# Altium PCB STeaMi-VerB1.PcbDoc (part 4 of 5) (continued)
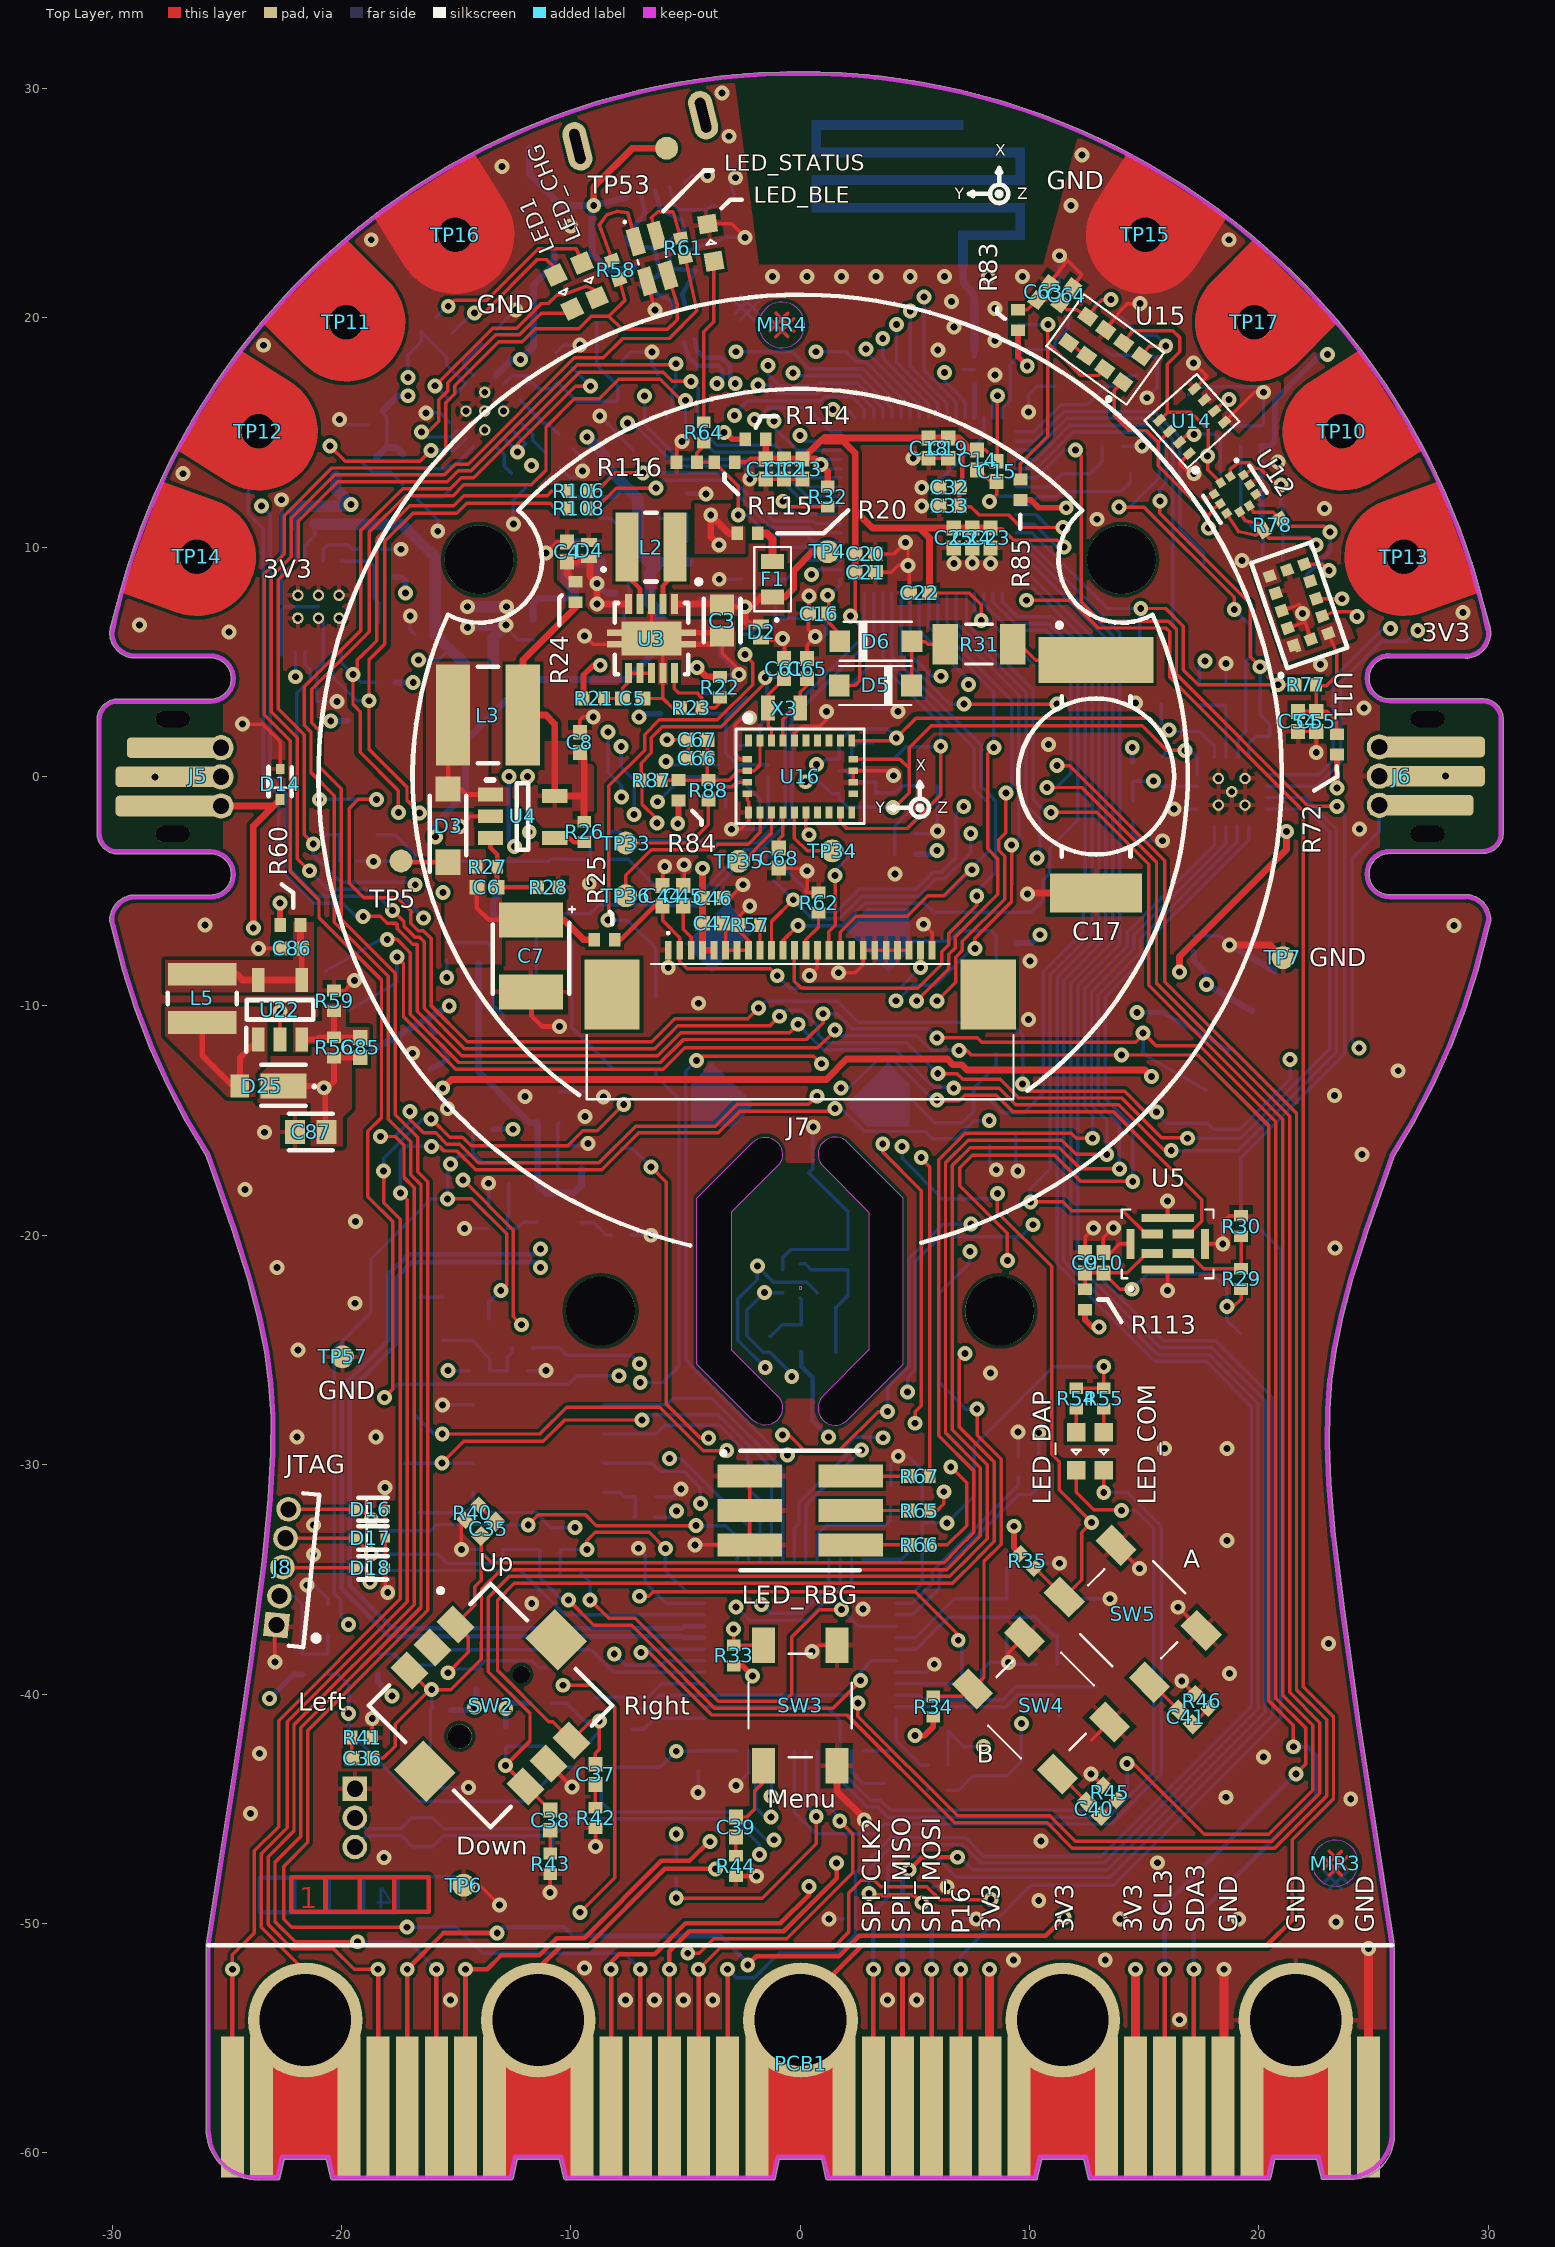
[diagram p0: Top Layer view]
## Nets (pads, with @x,y where several pads share a name; then routed paths per layer and width w, separated by ;. In a path a pad name is that pad's centre, name@x,y a point inside that pad or via, vN(x,y) a via of type N, cw(c..) or ccw(c..) an arc to the next point about the centre after c; other vN are vias at no path point) (continued)
NetR91_2: R91.2 U17.2 | length 8.1
  Bottom Layer w0.15: U17.2@4.18,-36.05 4.89,-36.05 5.756,-35.184 5.756,-34.644 9.5,-30.9 R91.2@9.5,-30.545
NetR92_2: R92.2 U17.3 | length 9.3
  Bottom Layer w0.15: U17.3@4.18,-36.55 4.906,-36.55 6.056,-35.4 6.056,-34.768 9.522,-31.302 10.06,-31.302 10.4,-30.962 R92.2@10.4,-30.545
NetR94_2: R94.2 TP44.1 U6.28 | length 76.6
  Mid-Layer 1 w0.15: v1(4.8,20.3) 4.8,17.056 7.377,14.479 7.377,11.665 7.904,11.138 8.944,11.138 10.413,9.669 10.413,5.588 9.908,5.083 9.908,0.392 9.907,-1.778 10.881,-2.752 10.881,-4.097 11.649,-4.865 11.649,-32.512 10.017,-34.144 10.017,-39.361 8.001,-41.377 v1(8.001,-42.291)
  Bottom Layer w0.15: v1(4.8,20.3) 4.8,17.878 6.4,16.278 U6.28@6.4,15.64 ; R94.2@6.445,-43.1 TP44.1@6.445,-41.611 7.125,-42.291 v1(8.001,-42.291)
NetR95_2: R95.2 TP43.1 U6.29 | length 78.1
  Mid-Layer 1 w0.15: v1(5.4,20.9) 5.4,17.738 5.638,17.5 5.638,16.643 7.706,14.575 7.706,12.219 7.708,12.217 7.706,12.216 7.706,11.76 8.028,11.438 8.484,11.438 8.485,11.44 8.487,11.438 9.068,11.438 10.713,9.793 10.713,5.464 10.208,4.959 10.208,0.268 10.207,-1.654 11.181,-2.628 11.181,-3.972 11.949,-4.741 11.949,-32.636 10.358,-34.227 10.358,-39.444 9.647,-40.155 v1(9.647,-41.285)
  Bottom Layer w0.15: v1(5.4,20.9) 5.4,17.703 6.8,16.303 U6.29@6.8,15.64 ; R95.2@6.445,-44.2 6.913,-44.2 7.552,-43.56 TP43.1@8.662,-43.56 9.02,-43.56 9.647,-42.932 v1(9.647,-41.285)
NetR96_1: R96.1 R97.2 R98.2 T3.B | length 4.8
  Bottom Layer w0.15: T3.B@-15.6,-24.58 -14.321,-24.58 -13.526,-25.375 R96.1@-13.526,-25.9 R98.2@-12.765,-25.9 -12.765,-25.314 -12.559,-25.107 R97.2@-12.559,-24.9
NetR100_2: R100.2 T3.E | length 1
  Bottom Layer w0.15: R100.2@-16.555,-22.7 T3.E@-15.6,-22.7
NetR105_2: R105.2 U17.44 | length 5.1
  Bottom Layer w0.15: U17.44@0.75,-34.12 0.75,-33.034 1.145,-32.639 3.726,-32.639 3.937,-32.428 R105.2@3.937,-31.814
NetR106_1: R106.1 U6.7 | length 12.2
  Top Layer w0.15: R106.1@-9.207,12.446 -8.856,12.446 -8.067,13.235 v1(-6.844,13.235)
  Bottom Layer w0.15: v1(-6.844,13.235) -3.253,13.235 -1.153,11.135 0.569,11.135 0.684,11.02 U6.7@1.78,11.02
NetR108_1: R108.1 U6.6 | length 12.4
  Top Layer w0.15: R108.1@-9.207,11.684 -8.904,11.684 -8.015,12.573 v1(-6.285,12.573)
  Bottom Layer w0.15: v1(-6.285,12.573) -5.948,12.91 -3.352,12.91 -1.277,10.835 0.405,10.835 0.62,10.62 U6.6@1.78,10.62
NetTP8_1: TP8.1 U6.36 | length 14.1
  Bottom Layer w0.15: U6.36@9.42,14.62 10.214,14.62 11.506,15.912 15.438,15.912 16.551,14.8 16.551,10.815 17.606,9.76 TP8.1@17.606,9.287
NetTP9_1: TP9.1 U6.37 | length 15.9
  Bottom Layer w0.15: U6.37@9.42,14.22 10.238,14.22 11.63,15.612 15.314,15.612 16.251,14.676 16.251,6.609 TP9.1@16.256,6.604
NetTP10_1: TP10.1 U8.10 | length 21.7
  Mid-Layer 1 w0.15: TP10.1@23.615,15.044 23.615,13.445 24.897,12.163 24.897,8.888 25.453,8.333 25.453,7.57 26.655,6.368 v1(26.924,6.368)
  Bottom Layer w0.15: U8.10@20.314,-0.416 22.525,-0.416 23.571,0.629 23.571,4.106 25.365,5.9 25.495,5.9 25.5,5.894 26.45,5.894 v1(26.924,6.368)
NetTP11_1: TP11.1 U8.12 | length 93.7
  Top Layer w0.15: v1(-17.78,-5.842) -17.755,-5.842 -17.271,-6.326 -17.271,-6.52 -16.773,-7.018 -16.579,-7.018 -16.392,-7.205 -16.392,-10.11 -14.633,-11.869 -6.34,-11.869 -5.336,-10.865 -1.314,-10.865 v1(-0.9,-10.451) ; v1(6,-12.954) 6.838,-12.954 7.089,-13.205 8.715,-13.205 9.526,-14.016 14.019,-14.016 15.753,-15.75 16.861,-15.75 v1(16.883,-15.772)
  Mid-Layer 1 w0.15: v1(-23.48,11.8) -23.48,12.136 -22.037,13.579 -22.037,17.561 TP11.1@-19.799,19.799
  Bottom Layer w0.15: v1(-23.48,11.8) -23.1,11.42 -23.1,-0.045 -22.394,-0.751 -22.394,-3.889 -21.065,-5.217 -18.405,-5.217 v1(-17.78,-5.842) ; v1(-0.9,-10.451) -0.649,-10.2 0.078,-10.2 0.78,-10.903 0.78,-11.256 1.13,-11.606 4.652,-11.606 v1(6,-12.954) ; v1(16.883,-15.772) 19.204,-15.772 23.078,-11.898 23.078,-2.421 22.073,-1.416 U8.12@20.314,-1.416
NetTP12_1: TP12.1 U8.11 | length 89.1
  Top Layer w0.15: v1(-19.05,-6.096) -18.304,-6.096 -18.008,-6.392 -17.629,-6.392 -17.571,-6.45 -17.571,-6.644 -16.897,-7.318 -16.704,-7.318 -16.692,-7.329 -16.692,-10.234 -14.758,-12.169 -6.216,-12.169 -5.212,-11.165 -0.465,-11.165 v1(-0.1,-10.8) ; v1(6.695,-13.589) 8.675,-13.589 9.402,-14.316 13.894,-14.316 15.878,-16.3 v1(16.179,-16.3)
  Bottom Layer w0.15: TP12.1@-23.615,15.044 -24.062,14.597 -24.062,11.453 -23.4,10.791 -23.4,-0.169 -22.733,-0.836 -22.733,-3.974 -21.19,-5.517 -19.951,-5.517 -19.372,-6.096 v1(-19.05,-6.096) ; v1(-0.1,-10.8) 1.006,-11.906 4.159,-11.906 5.8,-13.547 6.653,-13.547 v1(6.695,-13.589) ; v1(16.179,-16.3) 16.2,-16.322 19.078,-16.322 19.328,-16.072 23.378,-12.022 23.378,-2.296 21.998,-0.916 U8.11@20.314,-0.916
NetTP17_1: TP17.1 U8.9 | length 25.9
  Mid-Layer 1 w0.15: TP17.1@19.799,19.799 19.799,18.901 21.416,17.284 21.416,15.22 24.597,12.038 24.597,8.764 25.153,8.208 25.153,7.019 v1(25.728,6.444)
  Bottom Layer w0.15: U8.9@20.314,0.084 22.601,0.084 23.241,0.723 23.241,4.287 25.398,6.444 v1(25.728,6.444)
NetTP18_1: TP18.1 U6.39 U8.7 | length 25
  Top Layer w0.15: v1(13.892,11.742) 14.99,11.742 18.924,7.809 v1(18.924,7.275)
  Bottom Layer w0.15: U6.39@9.42,13.42 10.286,13.42 11.878,15.012 15.066,15.012 15.651,14.427 15.651,13.033 14.361,11.742 v1(13.892,11.742) ; v1(18.924,7.275) 19.635,6.564 TP18.1@19.635,5.969 19.635,5.225 19.431,5.021 19.431,1.975 19.089,1.632 19.089,0.859 U8.7@19.064,0.834
NetTP19_1: TP19.1 U6.38 U8.8 | length 24
  Top Layer w0.15: v1(15.679,12.004) 15.679,11.477 19.623,7.534 19.623,5.213 v1(20.053,4.784)
  Bottom Layer w0.15: U6.38@9.42,13.82 10.262,13.82 11.754,15.312 15.19,15.312 15.951,14.551 15.951,12.799 15.679,12.528 v1(15.679,12.004) ; v1@15.621,11.989 v1@15.636,12.004 ; U8.8@19.564,0.834 19.564,1.437 19.876,1.75 TP19.1@20.471,1.75 20.471,2.265 20.053,2.684 v1(20.053,4.784)
NetTP34_1: TP34.1 U16.10 | length 3
  Top Layer w0.15: U16.10@-0.25,-1.562 -0.25,-2.687 0.305,-3.241 TP34.1@1.397,-3.241
NetTP35_1: TP35.1 U16.8 | length 2.8
  Top Layer w0.15: TP35.1@-2.678,-3.694 -2.464,-3.694 -1.47,-2.701 -1.47,-2.699 -1.339,-2.567 -1.337,-2.567 -1.25,-2.48 U16.8@-1.25,-1.563
NetTP36_1: TP36.1 U16.7 | length 8.4
  Top Layer w0.15: TP36.1@-7.6,-5.2 -7.6,-4.298 -6.501,-3.199 -3.834,-3.199 -3.59,-2.955 -2.265,-2.955 -1.75,-2.44 U16.7@-1.75,-1.562
NetTP47_1: TP47.1 U17.14 | length 2.6
  Bottom Layer w0.15: U17.14@2.25,-42.48 2.25,-43.4 2.75,-43.9 TP47.1@3.682,-43.9
NetTP48_1: TP48.1 U17.11 | length 8.1
  Bottom Layer w0.15: U17.11@4.18,-40.55 8.972,-40.55 9.479,-40.044 11.019,-40.044 11.3,-40.324 TP48.1@11.3,-40.98
NetTP76_1: TP76.1 U17.28 | length 5
  Bottom Layer w0.15: TP76.1@-8.89,-40.132 -6.637,-40.132 -6.055,-39.55 U17.28@-4.18,-39.55
NetU5_2: U5.2 U6.51 | length 35.5
  Top Layer w0.15: v1(10.033,-18.542) 11.456,-18.542 11.837,-18.923 14.07,-18.923 U5.2@15.097,-19.95
  Bottom Layer w0.15: U6.51@9.42,8.62 9.745,8.62 12.728,5.637 12.728,-6.809 10.9,-8.637 10.9,-17.1 10.033,-17.967 v1(10.033,-18.542)
NetU5_3: U5.3 U6.18 | length 53.5
  Top Layer w0.15: v1(5.969,-14.097) 6.011,-14.139 6.923,-14.139 7.173,-13.889 8.55,-13.889 9.277,-14.616 13.661,-14.616 17.505,-18.461 17.505,-19.392 U5.3@16.947,-19.95
  Mid-Layer 1 w0.15: v1(1.424,16) 1.763,16 2.805,14.958 2.805,8.517 3.751,7.571 3.751,4.129 2.815,3.193 2.815,-11.434 1.778,-12.471 v1(1.778,-13.575)
  Bottom Layer w0.15: v1(1.424,16) 2.04,16 U6.18@2.4,15.64 ; v1(1.778,-13.575) 2.142,-13.575 3.483,-12.234 3.941,-12.234 5.804,-14.097 v1(5.969,-14.097)
NetU6_31: U6.31 U7.3 | length 1.5
  Bottom Layer w0.2: U6.31@7.6,15.64 U7.3@7.6,17.14
NetU15_3: U15.3 U15.4 | length 1
  Top Layer w0.15: U15.4@11.712,18.908 U15.3@12.495,18.336
NRST: C30.2 C31.2 D7.A R32.1 TP61.1 U6.8 | length 37.6
  Top Layer w0.15: v1(-8.372,-6.261) -8.342,-6.232 -8.342,-0.408 -6.784,1.15 -6.784,1.818 -6.137,2.465 -3.607,2.465 -2.074,3.998 -2.074,4.953 -2.4,5.279 v1(-2.4,5.319) ; v1(-0.75,12) -0.505,11.755 R32.1@1.2,11.755
  Mid-Layer 1 w0.15: v1(-2.4,5.319) -2.4,5.715 -1.2,6.915 -1.2,11.55 v1(-0.75,12)
  Bottom Layer w0.15: v1(-8.372,-6.261) -7.532,-6.261 -6.3,-7.493 D7.A@-6.3,-9.625 ; v1(-2.4,5.319) -2.4,5.438 -2.6,5.638 C31.2@-2.6,6.2 -2.164,6.2 -1.862,6.502 -1.218,6.502 -1.085,6.634 ; TP61.1@-1.085,7.378 -1.085,6.634 ; v1(-0.75,12) -0.185,11.435 0.693,11.435 0.708,11.42 U6.8@1.78,11.42 ; C30.2@0.26,6.9 -0.82,6.9 -1.085,6.634
PACK+: C2.1 J1.2 R18.1 U2.6 U2.8 | length 21.1
  Mid-Layer 1 w0.15: v1(-22,4.35) -21.264,5.085 v1(-16.637,5.085)
  Bottom Layer w0.15: v1(-22,4.35) U2.6@-22,5.425 ; U2.8@-21.6,9.375 -21.6,10.058 -21.155,10.503 R18.1@-21.155,11 ; v1(-16.637,5.085) -15.755,5.085 -15.283,5.558
  Bottom Layer w0.5: R18.1@-21.155,11 -17.36,11 -16.925,10.565 -16.925,10.555 -16.5,10.13 -16.49,10.13 -15.912,9.552 -15.912,6.187 -15.283,5.558 J1.2@-14.625,4.9
PACK_OUT: R2.2 R18.2 TP1.1 U1.2 U1.3 U2.7 | length 23.2
  Top Layer w0.15: v1(-12.32,14.146) -12.32,14.5 -9.806,17.015 v1(-9.135,17.015)
  Mid-Layer 1 w0.5: v1(-19.588,11.862) -19.472,11.862 -18.874,12.46 -13.926,12.46 v1@-12.28,14.106 ; v1(-12.32,14.146) v1@-12.28,14.106 ; v1(-11.715,13.55) -11.724,13.55 v1@-12.28,14.106
  Bottom Layer w0.15: R18.2@-22.045,11 -22,10.955 U2.7@-22,9.375 ; U1.3@-12.912,14.739 v1(-12.32,14.146) -11.967,14.5 U1.2@-12.559,15.092 ; R2.2@-9.935,17.815 v1(-9.135,17.015)
  Bottom Layer w0.5: R18.2@-22.045,11 -22.045,11.464 -21.734,11.775 -19.675,11.775 v1(-19.588,11.862) -20.243,12.518 TP1.1@-20.243,13.081
POWER: C84.2 R1.2 R3.2 R4.2 R53.1 R63.2 R89.1 R90.2 R107.1 T4.4 TP49.1 U1.10 U1.11 U21.5 | length 56.9
  Mid-Layer 1 w0.3: v1(-15.893,-2.629) -15.893,-4.681 -15.563,-5.011 v1(-15.563,-5.055)
  Mid-Layer 1 w0.5: v1(-17.1,16.6) v1(-17.1,17.4) -17.1,18.342 -15.995,19.447 -11.322,19.447 -9.86,17.985 -9.86,15.368 v1(-9.3,14.807)
  Bottom Layer w0.15: R4.2@-18.547,13.997 R4.2@-18.465,13.915 ; C84.2@-18.254,15.894 -18.032,15.671 -18.032,14.347 ; -17.562,16.586 -17.562,16.6 ; v1(-17.1,17.4) -17.1,18.37 -16.515,18.955 R53.1@-16.515,19.385 R1.2@-15.815,18.685 -15.399,18.27 -15.399,17.932 U1.11@-14.588,17.121 U1.10@-14.941,16.768
  Bottom Layer w0.2: TP49.1@-10.509,11.509 -9.853,12.165 -8.115,12.165 -7.62,12.66
  Bottom Layer w0.3: R4.2@-18.465,13.915 -18.032,14.347 -17.597,14.347 R3.2@-17.315,14.065 ; C84.2@-18.194,15.954 -17.562,16.586 ; -17.562,16.6 v1(-17.1,16.6) ; v1(-15.893,-2.629) -15.893,-2.074 -14.593,-0.774 -14.593,1.547 -11.91,4.229 -8.98,4.229 -8.975,4.225 -7.548,4.225 -6.15,5.623 R89.1@-6.15,6.6
  Bottom Layer w0.5: v1(-9.3,14.807) -8.551,14.059 -8.551,13.591 -7.62,12.66 -7.081,12.121 -7.081,9.834 -6.597,9.35 U21.5@-6.1,9.35 ; R89.1@-6.15,6.6 -6.15,7.165 -6.544,7.559 R107.1@-6.544,8 -6.544,8.906 U21.5@-6.1,9.35 ; R90.2@-4.9,9.35 U21.5@-6.1,9.35
POWER_ST_LINK: C77.2 C78.2 T4.3 U19.1 U19.3 | length 13.8
  Bottom Layer w0.3: T4.3@-14.025,-8.15 -14.025,-12.861 -11.79,-15.096 C77.2@-11.44,-15.096 C78.2@-11.44,-16.1 U19.1@-11.44,-17.1 -11.44,-17.816 -11.095,-18.161 -9.883,-18.161 -9.54,-17.818 U19.3@-9.54,-17.1
PWR_ENn: R90.1 R103.2 U21.4 | length 2.6
  Bottom Layer w0.15: U21.4@-6.1,11.25 -5.577,11.25 -4.953,10.626 ; R90.1@-4.953,10.224 -4.953,10.626 ; R103.2@-4.953,11.43 -4.953,10.626
PWR_EXT: R101.1 TP75.1 U17.29 | length 15.1
  Bottom Layer w0.15: TP75.1@-16.764,-38.735 -15.97,-38.735 -15.303,-38.068 -9.119,-38.068 -8.137,-39.05 U17.29@-4.18,-39.05
  Bottom Layer w0.152: R101.1@-18.4,-38.255 -17.708,-38.255 -17.228,-38.735 TP75.1@-16.764,-38.735
RST_OLED: J7.11 TP21.1 U6.53 | length 29.3
  Top Layer w0.15: J7.11@-0.75,-7.575 -0.75,-7.15 v1(-0.1,-6.5)
  Bottom Layer w0.15: v1(-0.1,-6.5) -0.09,-6.51 1.833,-6.51 2.818,-5.525 5.425,-5.525 5.814,-5.915 10.074,-5.915 10.593,-5.396 10.593,-4.499 10.881,-4.211 10.881,-3.132 TP21.1@11.427,-2.586 12.1,-1.913 12.1,5.416 10.849,6.668 9.35,6.668 8.4,7.618 U6.53@8.4,8
SPI1_MISO: TP41.1 U17.40 U20.2 | length 23.2
  Top Layer w0.15: v1(-15.617,-29.935) -14.665,-28.983 -11.199,-28.983 -10.271,-28.055 v1(-6.9,-28.055)
  Bottom Layer w0.15: TP41.1@-17.243,-29.935 v1(-15.617,-29.935) U20.2@-14.245,-29.935 ; v1(-6.9,-28.055) -6.898,-28.057 -6.667,-27.825 -3.56,-27.825 -1.25,-30.135 U17.40@-1.25,-34.12
SPI1_MOSI: TP40.1 U17.41 U20.5 | length 13.1
  Bottom Layer w0.15: U20.5@-8.555,-27.395 -5.825,-27.395 TP40.1@-5.53,-27.1 -3.861,-27.1 -0.75,-30.211 U17.41@-0.75,-34.12
SPI1_MOSI_OLED: J7.16 TP23.1 U6.65 | length 23.7
  Top Layer w0.15: J7.16@1.75,-7.575 1.75,-6.785 2.439,-6.096 4.662,-6.096 5.567,-5.191 6.264,-5.191 7.391,-4.064 v1(7.493,-4.064)
  Bottom Layer w0.15: U6.65@3.6,8 3.6,5.222 7.591,1.231 7.591,-0.549 8.216,-1.174 8.216,-3.239 7.493,-3.962 v1(7.493,-4.064) 6.367,-5.19 TP23.1@6.223,-5.19
SPI1_SCK: TP42.1 U17.39 U20.6 | length 11.8
  Bottom Layer w0.15: U20.6@-8.555,-28.665 -6.281,-28.665 -5.904,-28.288 -3.522,-28.288 -2.3,-29.51 TP42.1@-2.3,-31 -1.75,-31.55 U17.39@-1.75,-34.12
SPI1_SCK_OLED: J7.15 TP22.1 U6.16 | length 28
  Top Layer w0.15: J7.15@1.25,-7.575 1.25,-6.766 1.524,-6.492 v1(1.524,-4.318)
  Mid-Layer 1 w0.15: v1(0,14.864) 0.894,14.864 1.905,13.854 1.905,8.144 2.851,7.198 2.851,4.502 1.915,3.566 1.915,-3.927 v1(1.524,-4.318)
  Bottom Layer w0.15: v1(0,14.864) 0,14.846 0.226,14.62 U6.16@1.78,14.62 ; v1(1.524,-4.318) 1.524,-4.079 TP22.1@2.305,-3.298
SPI2_MISO_EDGE: D8.K PCB1.P14 U6.48 | length 93.5
  Top Layer w0.2: PCB1.P14@4.46,-58 v1(4.46,-52) ; v1(4.751,-47.676) 5.31,-47.117 v1(6.858,-47.117)
  Bottom Layer w0.15: v1@4.744,-47.7 v1(4.751,-47.676) ; v1(6.858,-47.117) 6.976,-47.117 7.526,-47.667 13.383,-47.667 20.275,-40.775 20.275,-27.227 17.948,-24.9 15.703,-24.9 11.8,-20.997 11.8,-9.01 13.628,-7.182 13.628,6.148 9.956,9.82 U6.48@9.42,9.82
  Bottom Layer w0.2: PCB1.P14@4.46,-58 v1(4.46,-52) D8.K@4.46,-48.4 4.46,-47.984 v1@4.744,-47.7
SPI2_MOSI_EDGE: D22.K PCB1.P15 U6.49 | length 96.7
  Top Layer w0.2: v1(3,-48.7) 3.068,-48.768 4.968,-48.768 v1(5.3,-49.1) ; PCB1.P15@5.73,-58 v1(5.73,-52)
  Bottom Layer w0.15: v1(3,-48.7) 3,-47.632 4.065,-46.567 7.086,-46.567 7.886,-47.367 13.258,-47.367 19.975,-40.651 19.975,-27.351 17.824,-25.2 15.579,-25.2 11.5,-21.121 11.5,-8.886 13.328,-7.058 13.328,6.023 9.931,9.42 U6.49@9.42,9.42 ; D22.K@5.73,-49.809 D22.K@5.739,-49.8
  Bottom Layer w0.2: v1(5.3,-49.1) 5.739,-49.539 D22.K@5.739,-49.8 ; PCB1.P15@5.73,-58 v1(5.73,-52) D22.K@5.73,-49.809
SPI2_SCK_EDGE: D9.K PCB1.P13 U6.47 | length 96
  Top Layer w0.2: PCB1.P13@3.19,-58 v1(3.19,-52)
  Bottom Layer w0.15: D9.K@3.19,-49.8 3.19,-49.51 3.81,-48.89 3.81,-47.498 4.208,-47.1 5.912,-47.1 6.804,-47.992 13.517,-47.992 20.6,-40.909 20.6,-27.093 18.107,-24.6 15.828,-24.6 12.1,-20.872 12.1,-9.134 13.928,-7.306 13.928,6.272 9.98,10.22 U6.47@9.42,10.22
  Bottom Layer w0.2: PCB1.P13@3.19,-58 v1(3.19,-52) D9.K@3.19,-49.8
STLINK_NRST: C75.2 D17.K J8.7 R99.1 U17.7 | length 32.2
  Top Layer w0.15: J8.7@-22.436,-33.209 -19.409,-33.209 D17.K@-19.4,-33.2 v1(-18.7,-33.9) ; v1(-10.1,-35.9) -8.999,-37.001 -7.344,-37.001 -6.388,-37.957 -6.388,-37.962 -3.736,-40.614 1.431,-40.614 v1(2.629,-39.416)
  Bottom Layer w0.15: v1(-18.7,-33.9) -15.8,-33.9 -15.385,-34.315 -13.308,-34.315 -12.96,-33.967 C75.2@-12.96,-33.7 R99.1@-11.345,-33.7 -11.345,-34.939 -10.384,-35.9 v1(-10.1,-35.9) ; v1(2.629,-39.416) 2.629,-39.042 3.121,-38.55 U17.7@4.18,-38.55
STLINK_SWCLK: D16.K J8.9 U17.37 | length 21.6
  Top Layer w0.15: J8.9@-22.304,-31.946 D16.K@-19.4,-31.946 -19.154,-31.946 v1(-18.7,-32.4) ; v1(-11.853,-32.636) -11.41,-32.192 -9.357,-32.192 -8.895,-32.655 v1(-4.539,-32.655)
  Bottom Layer w0.15: v1(-18.7,-32.4) -18.216,-32.884 -16.109,-32.884 -15.826,-32.602 v1(-11.853,-32.636) ; v1(-4.539,-32.655) -3.245,-32.655 -2.75,-33.15 U17.37@-2.75,-34.12
STLINK_SWDIO: D18.K J8.5 U17.34 | length 19.9
  Top Layer w0.15: J8.5@-22.569,-34.472 -22.542,-34.5 D18.K@-19.4,-34.5 -19.039,-34.5 -18.761,-34.779 v1(-18.761,-35.125)
  Bottom Layer w0.15: v1(-18.761,-35.125) -18.749,-35.125 -18.239,-34.615 -12.193,-34.615 -10.258,-36.55 U17.34@-4.18,-36.55
SYST: C4.2 C83.2 D4.1 R21.2 R24.1 R107.2 TP3.1 U3.5 U21.1 | length 17.9
  Top Layer w0.254: R21.2@-9.445,3.4 -9.445,4.42 -9.015,4.85 v1(-8.717,4.85)
  Top Layer w0.3: R24.1@-9.8,8.469 -10.164,8.833 C4.2@-10.164,9.35 -9.742,9.35 -9.642,9.45 -9.25,9.45 D4.1@-9.2,9.5 ; D4.1@-9.169,9.531 -9.169,8.727 v1(-8.86,8.417) v1(-8.86,7.527) U3.5@-7.482,7.527
  Mid-Layer 1 w0.254: v1(-8.86,7.527) -8.707,7.374 -8.717,7.365 v1(-8.717,4.85)
  Bottom Layer w0.3: C83.2@-11.64,6.849 -11.64,7.549 -11.416,7.772 TP3.1@-9.9,7.772 ; U21.1@-8.7,9.35 -8.86,9.19 v1(-8.86,8.417) -8.442,8 R107.2@-8.056,8
  Bottom Layer w0.5: TP3.1@-9.9,7.772 -9.9,8.236 -10.2,8.536 -10.2,9.314 -10.164,9.35 U21.1@-8.7,9.35
T_NRST: D7.K R104.1 SW1.1 U17.18 | length 59.5
  Top Layer w0.15: v1(-5.404,-48.895) -1.661,-48.895 0.702,-46.531 v1(0.702,-45.339)
  Mid-Layer 1 w0.15: v1(-6.97,-26.419) -7.805,-27.253 -7.805,-37.64 -7.488,-37.957 -7.488,-46.81 v1(-5.404,-48.895)
  Bottom Layer w0.15: SW1.1@-10,-7.25 -9.95,-7.3 -9.95,-10.944 -8.119,-12.775 D7.K@-6.3,-12.775 -6.3,-13.054 -5.284,-14.07 -5.284,-25.709 -5.993,-26.419 v1(-6.97,-26.419) ; v1(-5.404,-48.895) R104.1@-5.404,-48.001 ; U17.18@0.25,-42.48 0.25,-44.827 0.702,-45.279 v1(0.702,-45.339)
T_SWCLK: U6.56 U17.15 U17.26 | length 93
  Top Layer w0.15: v1(10.942,-1.562) 12.936,-1.562 15.2,-3.826 15.2,-9.097 21.037,-14.934 21.037,-40.055 22.35,-41.368 22.35,-44.197 20.429,-46.118 17.609,-46.118 14.518,-43.027 v1(14.256,-43.027)
  Bottom Layer w0.15: U17.26@-4.18,-40.55 1.149,-40.55 1.75,-41.151 U17.15@1.75,-42.48 1.75,-43.328 3.047,-44.625 3.494,-44.625 3.936,-45.067 13.277,-45.067 14.256,-44.088 v1(14.256,-43.027) ; U6.56@7.2,8 7.25,7.95 7.25,6.673 10.15,3.773 10.15,-0.994 10.718,-1.562 v1(10.942,-1.562)
T_SWDIO: R93.2 U6.54 U17.27 | length 95.4
  Top Layer w0.15: v1(2.516,-40.386) 2.516,-40.964 6.864,-45.312 10.888,-45.312 11.993,-46.418 20.553,-46.418 22.65,-44.321 22.65,-41.243 21.337,-39.93 21.337,-14.81 15.533,-9.007 15.533,-3.735 12.278,-0.48 v1(10.757,-0.48)
  Bottom Layer w0.15: R93.2@-7.312,-40.655 -6.736,-40.655 -6.139,-40.058 -4.188,-40.058 U17.27@-4.18,-40.05 2.18,-40.05 v1(2.516,-40.386) ; U6.54@8,8 8,7.526 9.158,6.368 10.724,6.368 11.8,5.292 11.8,0.144 11.156,-0.5 10.777,-0.5 v1(10.757,-0.48)
T_SWDIO_IN: R93.1 U17.25 | length 3.3
  Bottom Layer w0.15: R93.1@-7.312,-41.545 -6.834,-41.545 -6.339,-41.05 U17.25@-4.18,-41.05
T_SWO: U6.63 U17.31 | length 100.5
  Top Layer w0.15: v1(-6.938,-38.185) -6.59,-38.185 -3.86,-40.914 2.042,-40.914 6.74,-45.612 10.764,-45.612 11.869,-46.718 20.678,-46.718 22.95,-44.445 22.95,-41.119 21.637,-39.806 21.637,-14.686 15.9,-8.949 15.9,-3.678 11.748,0.474 v1(11.2,0.474) ; v1(7.143,3.157) v1(11.2,3.157)
  Mid-Layer 1 w0.15: v1(11.2,0.474) 11.385,0.659 11.385,2.972 v1(11.2,3.157)
  Bottom Layer w0.15: v1(-6.938,-38.185) -6.804,-38.05 U17.31@-4.18,-38.05 ; U6.63@4.4,8 4.4,5.27 6.513,3.157 v1(7.143,3.157)
T_UART2_RX: R95.1 U17.13 | length 3.6
  Bottom Layer w0.15: U17.13@2.75,-42.48 3.999,-42.48 5.555,-44.036 R95.1@5.555,-44.2
T_UART2_TX: R94.1 U17.12 | length 2.8
  Bottom Layer w0.15: U17.12@4.18,-41.05 4.18,-42.026 5.254,-43.1 R94.1@5.555,-43.1
UART2_RX: R49.1 TP74.1 U6.67 | length 19.4
  Bottom Layer w0.15: R49.1@-8.255,-2.4 -7.868,-2.4 -7.468,-2.8 TP74.1@-4.7,-2.8 -4.35,-2.8 -4.251,-2.899 -1.859,-2.899 -0.658,-1.698 -0.658,2.675 2.8,6.133 U6.67@2.8,8
UART2_TX: R48.1 TP73.1 U6.66 | length 21.4
  Bottom Layer w0.15: R48.1@-8.255,-3.6 -7.5,-3.6 TP73.1@-7,-4.1 -5.772,-5.328 -4.589,-5.328 -2.46,-3.199 -1.735,-3.199 -0.358,-1.822 -0.358,2.551 3.2,6.108 U6.66@3.2,8
USART1_RX: D20.K J9.2 TP71.1 U17.43 | length 45.4
  Mid-Layer 1 w0.15: v1(-1.143,-46.355) -0.703,-46.355 -0.335,-45.987 -0.335,-37.352 0.664,-36.353 0.664,-31.948 2.667,-29.946 v1(2.667,-29.364)
  Bottom Layer w0.15: J9.2@-19.412,-45.4 -18.93,-45.882 -17.418,-45.882 -16.936,-45.4 D20.K@-16.458,-45.4 -16.023,-45.4 -15.541,-45.882 -10.956,-45.882 -10.216,-45.142 -9.059,-45.142 -8.675,-44.758 -8.675,-44.707 ; TP71.1@-8.675,-44 -8.675,-44.707 ; v1(-1.143,-46.355) -1.483,-46.355 -2.696,-45.142 -8.24,-45.142 -8.675,-44.707 ; U17.43@0.25,-34.12 0.25,-31.781 v1(2.667,-29.364)
USART1_TX: D21.K J9.3 TP72.1 U17.42 | length 48.8
  Mid-Layer 1 w0.15: v1(-1.778,-46.99) -0.914,-46.99 -0.035,-46.111 -0.035,-37.476 0.964,-36.477 0.964,-32.073 3.614,-29.423 v1(3.614,-28.829)
  Bottom Layer w0.15: J9.3@-19.412,-46.67 -18.924,-46.182 -17.369,-46.182 -16.901,-46.65 D21.K@-16.449,-46.65 -16.014,-46.65 -15.546,-46.182 -10.731,-46.182 ; TP72.1@-10.795,-46.96 -10.795,-46.246 -10.731,-46.182 ; v1(-1.778,-46.99) -1.778,-46.545 -2.881,-45.442 -9.991,-45.442 -10.731,-46.182 ; U17.42@-0.25,-34.12 -0.25,-32.766 -0.05,-32.566 -0.05,-31.656 2.036,-29.571 2.036,-29.127 2.35,-28.814 3.599,-28.814 v1(3.614,-28.829)
USB_RENUMn: R97.1 U17.38 | length 16.3
  Mid-Layer 1 w0.15: v1(-7,-25.6) -7,-25.638 -6.982,-25.62 -6.032,-25.62 -5.702,-25.95 v1(-5.702,-29.732)
  Bottom Layer w0.15: R97.1@-11.669,-24.9 -10.5,-24.9 -10.163,-25.237 -7.363,-25.237 v1(-7,-25.6) ; v1(-5.702,-29.732) -5.201,-29.732 -2.25,-32.683 U17.38@-2.25,-34.12
USB_STLINK_N: L1.2 U17.32 | length 86.8
  Mid-Layer 1 w0.15: v1(-12.7,0) -12.446,0.254 -12.446,5.208 -10.042,7.612 -10.042,9.474 -8.93,10.587 -6.713,10.587 -5.29,12.01 -5.29,13.324 -4.385,14.229 -4.385,15.465 -3.381,16.469 -3.381,16.898 -3.623,17.14 v2(-3.631,17.14) ; v1(-12.447,-3.049) -12.034,-3.462 -12.034,-11.494 -10.76,-12.769 -10.76,-16.489 -10.08,-17.17 -10.08,-20.381 -10.549,-20.85 -11.07,-20.85 v2(-11.32,-20.6)
  Bottom Layer w0.2: v1(-12.7,0) -12.7,-2.796 v1(-12.447,-3.049) ; v2(-11.32,-20.6) -11.545,-20.825 -17.072,-20.825 -17.95,-21.703 -17.95,-24.59 -19.991,-26.632 -19.991,-35.418 -17.934,-37.475 -5.135,-37.475 -5.06,-37.55 U17.32@-4.18,-37.55 ; L1.2@-5.077,18.929 -4.863,18.275 -4.495,17.907 -3.578,17.907 -3.406,17.735 -3.406,17.365 v2(-3.631,17.14)
USB_STLINK_P: L1.3 R100.1 U17.33 | length 86.8
  Mid-Layer 1 w0.15: v1(-11.891,0.005) -12.146,0.259 -12.146,5.084 -9.742,7.487 -9.742,9.35 -8.805,10.287 -6.589,10.287 -4.99,11.886 -4.99,13.2 -4.085,14.105 -4.085,15.34 -3.081,16.345 -3.081,16.89 v2(-2.831,17.14) ; v1(-11.811,-2.413) -11.811,-3.261 -11.735,-3.338 -11.735,-11.37 -10.46,-12.644 -10.46,-16.365 -9.78,-17.045 -9.78,-17.399 -9.78,-18.016 ccw(c-9.63,-18.016) -9.63,-18.166 -9.583,-18.166 cw(c-9.583,-18.316) -9.433,-18.316 cw(c-9.583,-18.316) -9.583,-18.466 -9.63,-18.466 ccw(c-9.63,-18.616) -9.78,-18.616 ccw(c-9.63,-18.616) -9.63,-18.766 -9.583,-18.766 cw(c-9.583,-18.916) -9.433,-18.916 cw(c-9.583,-18.916) -9.583,-19.066 -9.63,-19.066 ccw(c-9.63,-19.216) -9.78,-19.216 -9.78,-19.366 -9.78,-19.516 -9.78,-20.505 -10.425,-21.15 -11.07,-21.15 v2(-11.32,-21.4)
  Bottom Layer w0.2: v1(-11.891,0.005) -11.891,-2.333 v1(-11.811,-2.413) ; v2(-11.32,-21.4) -11.545,-21.175 -16.927,-21.175 -17.6,-21.848 -17.6,-24.735 -19.641,-26.777 -19.641,-35.273 -17.789,-37.125 -5.135,-37.125 -5.06,-37.05 U17.33@-4.18,-37.05 ; L1.3@-4.595,19.063 -4.494,18.567 -4.184,18.257 -3.433,18.257 -3.056,17.88 -3.056,17.365 v2(-2.831,17.14)
VBAT_ON/OFF: R8.2 T1.1 U17.17 | length 114
  Top Layer w0.15: v1(-21.228,-2.942) -21.624,-2.546 -21.624,1.81 -22.761,2.947 -22.761,8.586 -21.885,9.462 -21.885,11.126 -20.164,12.847 -15.38,12.847 -14.907,13.32 -14.349,13.32 -9.719,17.95 -5.463,17.95 v1(-5.418,17.995) ; v1(-14.696,-17.585) -12.5,-19.781 -12.5,-22.288 ; -12.501,-22.289 -12.501,-23.548 v1(-12.148,-23.9) ; v1(-10.337,-39.619) -9.04,-39.619 -8.081,-40.578 -8.081,-48.006 v1(-9.591,-49.516) ; v1(-4.9,-51.3) -4.401,-51.3 -3.774,-50.673 -0.586,-50.673 2.291,-47.796 2.291,-46.103 v1(1.724,-45.536)
  Mid-Layer 1 w0.15: v1(-16.783,-4.718) -15.494,-6.006 -15.494,-6.671 -13.513,-8.652 -13.513,-15.238 -14.696,-16.421 v1(-14.696,-17.585) ; v1(-12.148,-23.9) -12.148,-32.138 -12.403,-32.393 -12.403,-37.057 -10.337,-39.123 v1(-10.337,-39.619) ; v1(-9.591,-49.516) -9.591,-50.6 -8.89,-51.3 v1(-4.9,-51.3)
  Bottom Layer w0.15: v1(-21.228,-2.942) -21.228,-3.421 -20.032,-4.617 -16.883,-4.617 v1(-16.783,-4.718) ; T1.1@-5.833,15.643 -5.585,15.89 R8.2@-5.585,16.885 -5.418,17.053 v1(-5.418,17.995) ; U17.17@0.75,-42.48 0.75,-44.438 1.724,-45.412 v1(1.724,-45.536)
VDD: C1.2 TP52.1 U2.5 | length 4
  Bottom Layer w0.15: TP52.1@-21.946,1.74 C1.2@-21.946,3.3 -21.946,3.629 -21.775,3.8 -21.772,3.8 -21.366,4.206 -21.366,4.666 -21.6,4.9 U2.5@-21.6,5.425
VREF: D19.K J8.3 R70.1 R71.1 | length 5.2
  Bottom Layer w0.15: J8.3@-22.702,-35.735 -22.058,-35.735 -21.7,-36.093 R70.1@-21.7,-38.255 R71.1@-20.6,-38.255 D19.K@-20.6,-37.425
pads on no net: J1.FIX J2.6 J2.7 J2.8 J2.9 J3.FIX J4.FIX J5.Un1 J5.Un2 J6.Un1 J6.Un2 J7.17 J7.FIX LS1.FIX SW2.2 SW2.FIX SW2.GB1 SW2.GB2 U2.4 U2.9 U2.11 U8.2 U9.2 U9.11 U9.12 U10.9 U10.10 U11.8 U16.1 U16.12 U16.13 U16.15 U16.16 U16.21 U16.22 U16.23 U16.24 U17.20 U20.9
copper on no net: | length 43.5
  Top Layer w0.2: -20.695,-49.487 -22.195,-49.487 -22.195,-47.987 -20.695,-47.987 ; -20.695,-49.487 -20.695,-47.987 ; -20.695,-49.487 -19.195,-49.487 ; -20.695,-47.987 -19.195,-47.987 ; -19.195,-49.487 -19.195,-47.987 ; -19.195,-49.487 -17.695,-49.487 ; -19.195,-47.987 -17.695,-47.987 ; -17.695,-49.487 -16.195,-49.487 -16.195,-47.987 -17.695,-47.987 ; -17.695,-49.487 -17.695,-47.987
  Bottom Layer w0.2: -22.05,-49.516 -23.55,-49.516 -23.55,-48.016 -22.05,-48.016 ; -22.05,-49.516 -22.05,-48.016 ; -22.05,-49.516 -22.05,-48.016 ; -22.05,-49.516 -20.55,-49.516 ; -22.05,-48.016 -20.55,-48.016 ; -20.55,-49.516 -20.55,-48.016 ; -20.55,-49.516 -20.55,-48.016 ; -20.55,-49.516 -19.05,-49.516 ; -20.55,-48.016 -19.05,-48.016 ; -19.05,-49.516 -19.05,-48.016 ; -19.05,-49.516 -19.05,-48.016 ; -19.05,-49.516 -17.55,-49.516 -17.55,-48.016 -19.05,-48.016